# Allegro board ftu_k64_evk.brd (continued)
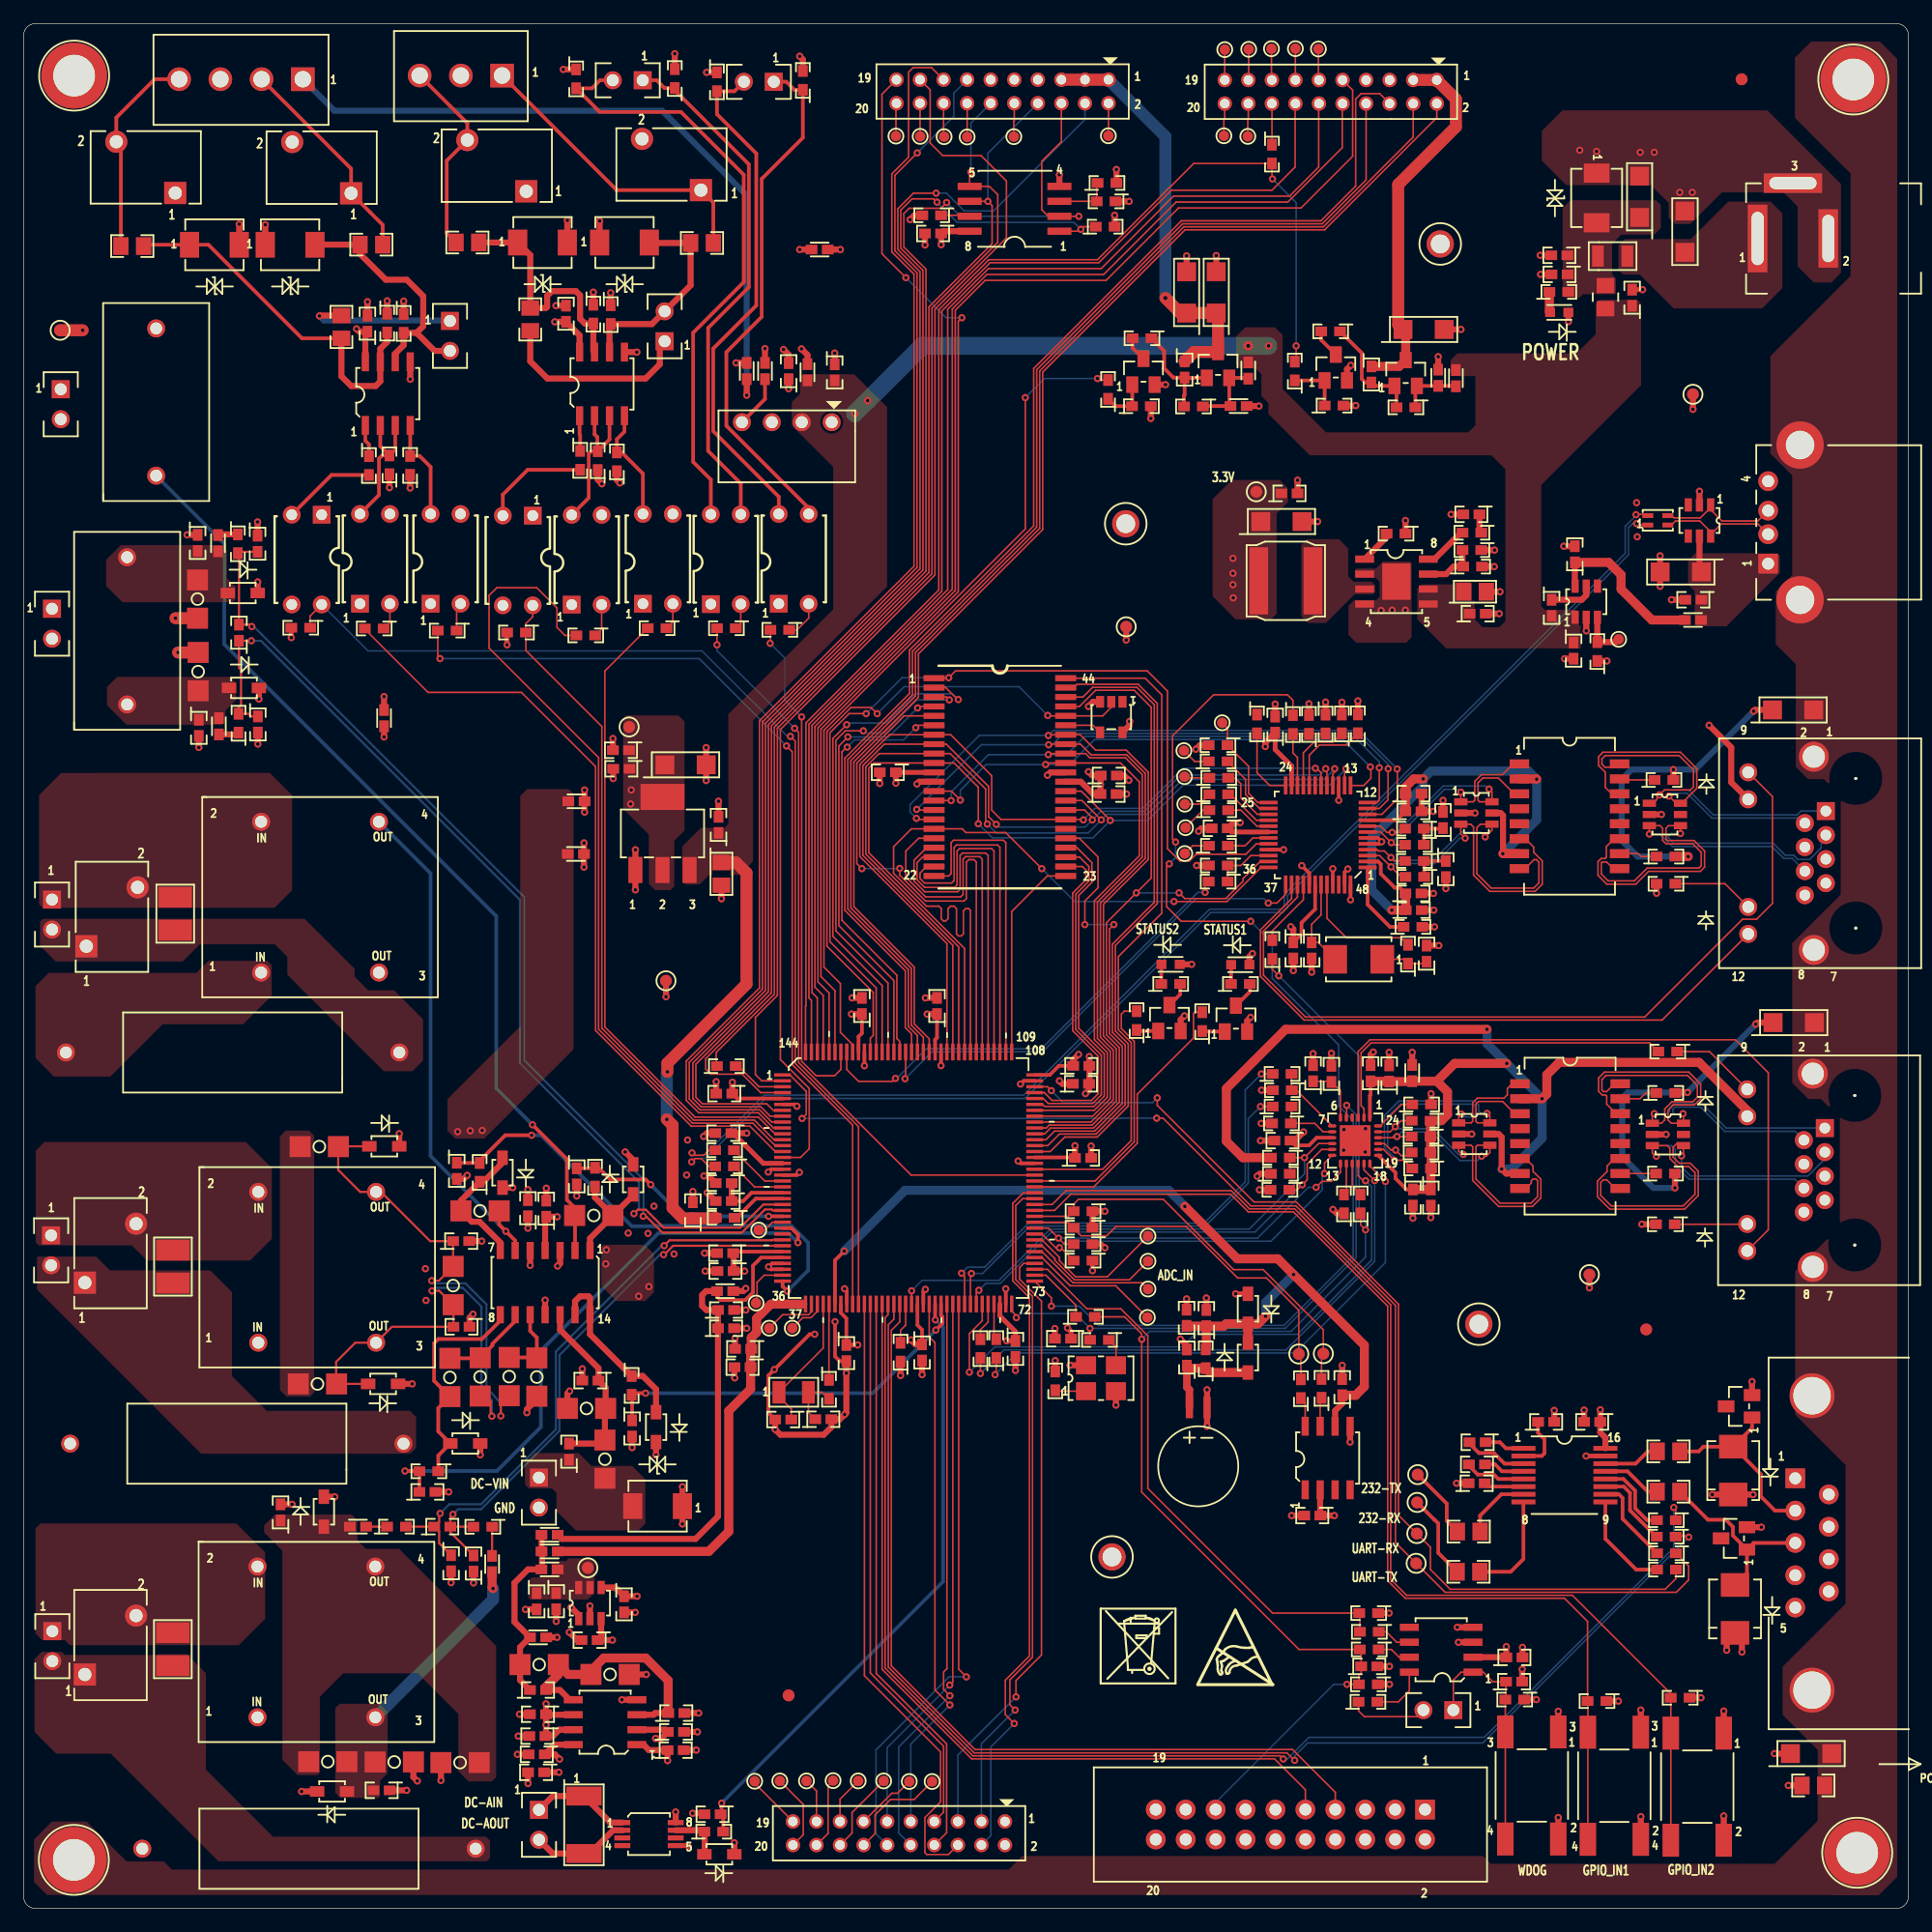
[diagram p0: board, top side]
## Routing (per net, layer and track width the routed paths; a pad name or vN(x,y) marks a point on that pad's centre or on a via; arc(x,y) is an arc through that point) (continued)
  BOTTOM w0.127: v1(138.01,91.2) 138.9,91.2 139.95,90.14 148.41,90.14 149.42,89.13 150.13,89.13 P2.6
ETH2_RXP: length 38.9
  TOP w0.127: v1(140.65,91.25) U14.4 139.63,91.91 139.42,91.69 139.42,90.78 139.54,90.65 141.8,90.65 142.69,89.76 142.69,88.39 142.34,88.04 137.94,88.04 136.85,86.94 134.4,86.94 133.65,87.69 133.65,88.86 133.91,89.12 134.25,89.12 134.36,89.23 134.36,90.14 135.02,90.81 T2.11
  BOTTOM w0.127: v1(140.65,91.25) 139.83,91.25 139.63,91.04 139.63,90.86 140.07,90.42 148.52,90.42 149.54,89.41 150.25,89.41 150.61,89.05 151.62,89.05 152.59,90.03 152.59,90.72 P2.3
ETH2_TXN: length 30.9
  TOP w0.127: v1(139.67,94.42) 140.28,93.81 U14.6 140.76,93.81 142.03,95.08 142.03,96.76 140.65,98.15 134.07,98.15 133.7,97.78 133.7,97.01 134.27,96.44 134.27,95.16 134.82,94.61 T2.14
  BOTTOM w0.127: P2.2 151.04,92.13 150.62,92.56 143.31,92.56 141.2,94.67 139.91,94.67 v1(139.67,94.42)
ETH2_TXP: length 31.7
  TOP w0.127: T2.16 135.2,96.88 134.23,96.88 133.98,97.13 133.98,97.59 134.26,97.87 140.53,97.87 141.75,96.65 141.75,95.2 141.5,94.95 139.29,94.95 v1(138.87,94.52) 138.65,94.31 138.65,94.13 138.33,93.81 U14.1
  BOTTOM w0.127: P2.1 150.88,93.15 150.57,92.84 143.43,92.84 141.32,94.95 139.29,94.95 v1(138.87,94.52)
EXT_5V: length 60.1
  TOP w0.508: L17.1 v1(61.39,128.45)
  BOTTOM w0.508: J13.1 26.38,152.6 54.2,152.6 61.39,145.41 v1(61.39,128.45)
EXTAL: length 48.6
  TOP w0.127: R18.2 v1(90.53,49.24) ; U11.5 112.31,67.16 v1(112.31,68.17) ; v1(84.27,50.15) 84.27,50.32 83.88,50.71 U1.72
  BOTTOM w0.127: v1(84.27,50.15) 84.62,50.5 89.28,50.5 v1(90.53,49.24) 107.09,49.24 113.11,55.26 113.11,67.37 v1(112.31,68.17)
EZP_CS: length 3.5
  TOP w0.127: U1.54 74.88,49.51 74.44,49.07 R1.2
FB_AD0: length 56.9
  TOP w0.127: U4.2 92.33,101.96 91.6,101.23 U3.40 86.98,101.23 v1(86.94,101.27) ; U1.133 71.88,73.86 72.12,74.11 72.12,77.76 68.19,81.69 68.19,99.9 70.23,101.94 71.94,101.94 v1(72.46,101.42)
  BOTTOM w0.127: v1(86.94,101.27) 84.5,103.71 74.75,103.71 v1(72.46,101.42)
FB_AD0_N: length 3.2
  TOP w0.127: U3.39 90.78,100.43 U4.4
FB_AD1: length 84.5
  TOP w0.127: U12.32 104.64,90.37 103.75,89.48 99.54,89.48 98.96,88.91 98.15,88.91 97.1,89.97 97.1,103.34 95.38,105.05 79.12,105.05 v1(78.53,104.47) 78.49,104.43 U3.1 ; v1(71.52,101.42) 70.07,101.42 68.45,99.8 68.45,82.07 72.38,78.14 U1.132
  BOTTOM w0.127: v1(71.52,101.42) 74.57,104.47 v1(78.53,104.47)
FB_AD2: length 43.2
  TOP w0.127: U3.2 78.28,103.63 79.29,102.62 v1(79.34,102.62) ; U1.131 72.88,78.34 68.7,82.52 68.7,99.31 v1(69.87,100.48)
  BOTTOM w0.127: v1(69.87,100.48) 70.01,100.62 73.21,100.62 75.7,103.11 78.85,103.11 v1(79.34,102.62)
FB_AD3: length 40.9
  TOP w0.127: v1(71.28,99.96) 69.76,99.96 68.96,99.16 68.96,82.97 73.38,78.55 U1.130 ; v1(78.58,102.59) 78.34,102.83 U3.3
  BOTTOM w0.127: v1(78.58,102.59) 75.84,102.59 73.02,99.77 71.47,99.77 v1(71.28,99.96)
FB_AD4: length 37.4
  TOP w0.127: U3.4 76.02,102.03 v1(75.89,101.9) ; v1(69.97,99.44) 69.21,98.68 69.21,83.43 73.88,78.76 U1.129
  BOTTOM w0.127: v1(75.89,101.9) 73.43,99.44 v1(69.97,99.44)
FB_AD5: length 48
  TOP w0.127: v1(74.37,88.28) 74.37,87.71 76.57,85.51 79.83,85.51 80.03,85.72 80.03,88.82 80.23,89.03 80.67,89.03 80.88,88.82 U1.115 ; v1(71.17,88.27) 70.73,88.7 70.73,97.22 74.74,101.23 U3.5
  BOTTOM w0.127: v1(71.17,88.27) 74.35,88.27 v1(74.37,88.28)
FB_AD6: length 31.9
  TOP w0.127: U3.18 75.98,90.84 74.89,89.76 74.89,87.55 76.57,85.87 79.55,85.87 79.75,86.07 79.75,89.08 79.95,89.28 81.17,89.28 81.38,89.08 U1.114
FB_AD7: length 30.4
  TOP w0.127: U3.19 76.65,90.04 75.59,88.98 75.59,87.21 76.49,86.3 79.29,86.3 79.5,86.51 79.5,89.38 79.7,89.59 81.67,89.59 81.88,89.38 U1.113
FB_AD8: length 30.1
  TOP w0.127: U3.20 76.31,89.24 75.84,88.77 75.84,87.32 76.48,86.67 79.04,86.67 79.24,86.88 79.24,89.76 79.45,89.97 82.17,89.97 82.38,89.76 U1.112
FB_AD9: length 29.3
  TOP w0.127: U1.111 82.88,90.07 82.67,90.27 79.19,90.27 78.99,90.07 78.99,87.25 78.79,87.05 76.47,87.05 76.09,87.42 76.09,87.88 76.65,88.44 U3.21
FB_AD10: length 26.7
  TOP w0.127: U3.22 78.53,87.64 78.73,87.85 78.73,90.47 78.94,90.68 83.17,90.68 83.38,90.47 U1.110
FB_AD11: length 17.8
  TOP w0.127: U3.23 86.9,87.64 83.88,84.62 U1.109
FB_AD12: length 28.1
  TOP w0.127: U3.24 89.89,88.44 90.18,88.15 90.18,87.31 89.06,86.19 89.06,74.5 91.23,72.33 91.23,69.17 90.65,68.59 87.31,68.59 86.65,69.25 U1.105
FB_AD13: length 29.2
  TOP w0.127: U3.25 89.64,89.24 90.43,88.46 90.43,87.21 89.31,86.09 89.31,74.61 91.49,72.44 91.49,69.07 90.76,68.34 86.97,68.34 86.56,68.75 U1.104
FB_AD14: length 30.3
  TOP w0.127: U1.103 86.51,68.25 86.68,68.08 90.86,68.08 91.74,68.96 91.74,72.54 89.57,74.72 89.57,85.98 90.68,87.1 90.68,88.77 89.42,90.04 U3.26
FB_AD15: length 36.6
  TOP w0.127: v1(92.55,83.52) 92.17,83.13 92.17,74.27 93.26,73.18 93.26,68.33 90.93,65.99 87.52,65.99 86.79,65.25 U1.97 ; v1(90.09,83.52) 90.09,85.52 91.21,86.64 91.21,89.26 89.62,90.84 U3.27
  BOTTOM w0.127: v1(90.09,83.52) v1(92.55,83.52)
FB_AD16: length 53.5
  TOP w0.127: U3.42 89.92,102.83 90.75,103.66 94.51,103.66 95.98,102.18 95.98,85.4 92.43,81.85 92.43,74.38 93.52,73.28 93.52,68.22 91.03,65.74 87.93,65.74 86.95,64.75 U1.96
FB_AD17: length 54.2
  TOP w0.127: U1.95 87.16,64.25 88.39,65.48 91.14,65.48 93.77,68.11 93.77,73.39 92.68,74.48 92.68,81.74 96.24,85.3 96.24,102.29 94.61,103.91 89.43,103.91 89.15,103.63 U3.43
FB_AD18: length 57.8
  TOP w0.127: U3.44 95.21,104.43 96.62,103.02 96.62,84.48 92.93,80.8 92.93,74.59 94.03,73.49 94.03,65.18 91.6,62.75 U1.92
FB_AD24: length 75.4
  TOP w0.127: v1(89.96,92.41) 89.92,92.44 U3.29 82.96,92.44 82.18,93.23 82.18,96.15 78.7,99.63 U3.7 73.5,99.63 70.99,97.12 70.99,89.29 78.38,81.9 U1.120 ; v1(109.66,96.79) 109.76,96.79 110.14,96.41 U12.18
  BOTTOM w0.127: v1(109.66,96.79) 98.43,96.79 95.02,93.38 90.94,93.38 v1(89.96,92.41)
FB_AD25: length 78.2
  TOP w0.127: U1.119 78.88,81.76 71.24,89.4 71.24,97.01 73.06,98.83 U3.8 78.33,98.83 81.92,95.24 81.92,92.67 v1(82.57,92.02) ; U3.30 90.06,93.24 90.72,92.58 v1(90.72,92.41) ; U12.17 110.64,96.64 v1(110.54,96.75)
  BOTTOM w0.127: v1(82.57,92.02) 82.8,91.8 90.11,91.8 v1(90.72,92.41) 91.45,93.13 95.13,93.13 98.22,96.22 110,96.22 v1(110.54,96.75)
FB_AD26: length 79.6
  TOP w0.127: v1(81.81,92.05) 81.67,92.19 81.67,95.02 78.66,98.03 U3.9 72.62,98.03 71.5,96.9 71.5,89.5 79.38,81.62 U1.118 ; U12.16 111.14,96.31 111.3,96.47 v1(111.3,96.75) ; U3.31 89.85,94.04 v1(91.49,92.41)
  BOTTOM w0.127: v1(81.81,92.05) 82.57,91.29 90.37,91.29 v1(91.49,92.41) 91.96,92.88 95.42,92.88 98.37,95.83 110.38,95.83 v1(111.3,96.75)
FB_AD27: length 81.3
  TOP w0.127: U12.14 112.14,96.63 v1(112.26,96.75) ; U3.32 89.78,94.84 92.25,92.38 v1(92.25,92.35) ; U1.117 79.88,81.48 71.75,89.61 71.75,96.8 72.18,97.23 U3.10 78.99,97.23 81.05,95.17 v1(81.05,92.08)
  BOTTOM w0.127: v1(81.05,92.08) 81.05,92.07 82.24,90.88 90.77,90.88 v1(92.25,92.35) 95.42,92.35 98.42,95.35 110.87,95.35 v1(112.26,96.75)
FB_AD28: length 88
  TOP w0.127: U12.13 113.76,95.33 114.37,95.94 114.37,96.85 v1(114.32,96.9) ; v1(79.52,94.08) 78.76,94.84 U3.13 ; v1(86.76,97.1) 86.89,97.23 U3.35 93.11,97.23 94.71,95.63 94.71,89.36 90.9,85.55 90.9,73.74 91.99,72.65 91.99,68.85 90.89,67.75 U1.102
  BOTTOM w0.127: v1(79.52,94.08) 79.52,94.92 81.71,97.1 v1(86.76,97.1) 88.79,97.1 90.93,99.24 111.98,99.24 v1(114.32,96.9)
FB_AD29: length 91
  TOP w0.127: U12.12 114.88,93.87 115.08,94.07 v1(115.08,96.82) ; v1(78.73,94.04) U3.14 ; v1(86.99,97.94) 87.08,98.03 U3.36 90.15,98.03 90.51,97.68 93.53,97.68 94.97,96.24 94.97,89.25 91.16,85.44 91.16,73.85 92.25,72.75 92.25,68.75 90.75,67.25 U1.101
  BOTTOM w0.127: v1(115.08,96.82) 115.08,97.33 112.92,99.49 90.09,99.49 88.54,97.94 v1(86.99,97.94) 81.91,97.94 78.73,94.77 v1(78.73,94.04)
FB_AD30: length 96.8
  TOP w0.127: U12.11 115.09,93.37 115.83,94.11 115.83,96.73 v1(115.84,96.75) ; v1(75.81,93.29) 75.86,93.24 U3.15 ; v1(87.02,98.78) 87.07,98.83 U3.37 89.71,98.83 90.61,97.93 93.64,97.93 95.22,96.35 95.22,89.15 91.41,85.34 91.41,73.95 92.5,72.86 92.5,68.64 90.61,66.75 U1.100
  BOTTOM w0.127: v1(115.84,96.75) 115.84,97.13 113.22,99.75 88.29,99.75 87.32,98.78 v1(87.02,98.78) 81.3,98.78 v1(75.81,93.29)
FB_AD31: length 101.5
  TOP w0.127: U1.99 86.81,66.25 87.06,66.5 90.72,66.5 92.76,68.54 92.76,72.97 91.66,74.06 91.66,85.23 95.47,89.04 95.47,96.45 93.6,98.32 91,98.32 89.69,99.63 U3.38 87.05,99.63 v1(86.99,99.57) ; v1(116.6,96.72) 116.62,96.71 116.62,94.19 115.3,92.87 U12.10 ; U3.16 75.88,92.44 v1(75.79,92.53)
  BOTTOM w0.127: v1(75.79,92.53) 75.25,93.07 75.25,93.7 81.12,99.57 v1(86.99,99.57) 87.42,100 113.33,100 v1(116.6,96.72)
FB_CS0_N: length 36.3
  TOP w0.127: v1(69.92,98.58) 69.87,98.58 69.46,98.17 69.46,83.88 74.13,79.21 74.13,73.84 74.38,73.6 U1.128 ; U3.6 75.94,100.43 v1(75.74,100.23)
  BOTTOM w0.127: v1(75.74,100.23) 74.7,99.19 70.52,99.19 v1(69.92,98.58)
FB_CS1_N: length 42.2
  TOP w0.127: U1.127 74.88,70.49 v1(74.82,70.43) ; U12.37 107.14,86.08 106.4,85.34 v1(105.66,85.34)
  BOTTOM w0.127: v1(74.82,70.43) 77.11,72.72 86.51,72.72 99.51,85.73 105.28,85.73 v1(105.66,85.34)
FB_OE_N: length 65.1
  TOP w0.127: U1.98 86.68,65.75 87.17,66.24 90.82,66.24 93.01,68.43 93.01,73.07 91.92,74.16 91.92,83.67 v1(94.46,86.21) 95.73,87.48 95.73,101.96 94.28,103.4 91,103.4 89.63,102.03 U3.41 ; v1(98.09,86.21) 98.57,85.73 102.05,85.73 103.53,87.2 103.53,87.43 104.97,88.87 U12.35
  BOTTOM w0.127: v1(98.09,86.21) v1(94.46,86.21)
FB_RW_N: length 64.7
  TOP w0.127: U12.36 105.05,88.37 102.16,85.47 v1(97.66,85.47) ; U1.116 80.38,84.72 80.22,84.88 79.98,84.88 79.78,84.67 79.78,82.72 79.6,82.55 79.36,82.55 79.19,82.72 79.19,84.88 78.99,85.08 78.68,85.08 78.48,84.88 78.48,84.02 78.28,83.82 78.09,83.82 77.9,84.01 77.9,84.88 77.7,85.08 76.64,85.08 73.85,87.87 73.85,90.13 75.37,91.64 U3.17 79.67,91.64 79.99,91.33 83.37,91.33 v1(86.43,88.27)
  BOTTOM w0.127: v1(97.66,85.47) 89.22,85.47 v1(86.43,88.27)
GP6: length 8.9
  TOP w0.127: TP13.1 102.19,100.2 R82.1 103.98,96.95 103.98,94.67 104.77,93.87 U12.25
GPIO_1: length 56.9
  TOP w0.127: v1(84.17,16.84) 83.73,17.28 83.73,19.41 85.64,21.32 85.64,51.96 84.22,53.38 84.22,59.66 84.81,60.25 U1.87
  BOTTOM w0.127: v1(84.17,16.84) 81.31,13.98 J10.3
GPIO_2: length 59.6
  TOP w0.127: v1(84.09,15.7) 83.34,16.45 83.34,19.38 85.39,21.43 85.39,51.85 83.97,53.27 83.97,59.84 84.88,60.75 U1.88
  BOTTOM w0.127: v1(84.09,15.7) 82.11,13.71 82.11,6.18 J10.4
GPIO_3: length 52.2
  TOP w0.127: U1.76 84.9,54.75 84.55,54.41 84.55,53.41 86.41,51.55 86.41,21.51 84.25,19.35 v1(84.25,17.96)
  BOTTOM w0.127: J10.5 79.31,13.02 v1(84.25,17.96)
GPIO_4: length 53
  TOP w0.127: U1.47 71.38,19.75 77.85,13.28 77.85,9.05 76.51,7.71 76.51,4.74 76.67,4.58 78.51,4.58 J10.6
GPIO_5: length 46.8
  TOP w0.127: U1.48 71.88,19.99 78.1,13.77 78.1,8.17 J10.7
GPIO_6: length 48.8
  TOP w0.127: U1.49 72.38,19.95 78.35,13.97 78.35,6.43 J10.8
GPIO_7: length 46
  TOP w0.127: v1(78.63,17.27) 77.36,18.54 77.36,48.03 76.88,48.52 U1.58
  BOTTOM w0.127: J10.9 75.31,13.95 v1(78.63,17.27)
GPIO_8: length 48.5
  TOP w0.127: U1.61 78.38,20.35 78.1,20.07 78.1,18.59 v1(78.63,18.06)
  BOTTOM w0.127: v1(78.63,18.06) 74.29,13.72 74.29,6.4 J10.10
GPIO_9: length 46.2
  TOP w0.127: v1(78.62,18.96) 78.88,19.22 U1.62
  BOTTOM w0.127: J10.11 73.31,13.65 78.62,18.96 v1(78.62,18.96)
GPIO_10: length 50.6
  TOP w0.127: U1.63 79.38,20.31 v1(80.03,19.66)
  BOTTOM w0.127: J10.12 72.36,6.33 72.36,13.46 78.56,19.66 v1(80.03,19.66)
GPIO_IN_1: length 94.7
  TOP w0.127: SW1.4 SW1.3 132.79,17.58 R109.2 132.76,24.37 130.8,26.33 117.29,26.33 115.79,27.83 115.79,51.13 107.79,59.13 103.96,59.13 102.46,60.63 88.89,60.63 87.52,59.25 U1.85
GPIO_IN_2: length 98.3
  TOP w0.127: U1.86 87.31,59.75 88.48,60.93 102.52,60.93 104.06,59.39 107.9,59.39 116.05,51.24 116.05,27.93 117.39,26.59 131.47,26.59 139.82,18.24 R110.2 139.83,17.88 SW2.3 SW2.4
GPIO_OUT_1: length 24
  TOP w0.127: R101.2 99.41,76.08 99.31,75.97 99.31,73.89 94.53,69.11 94.53,64.95 90.84,61.25 U1.89
GPIO_OUT_2: length 22.5
  TOP w0.127: R102.2 93.44,76.17 93.19,75.91 93.19,74.69 94.28,73.6 94.28,65.07 90.96,61.75 U1.90
GPIO_OUT_3: length 63.7
  TOP w0.127: U1.91 75.35,62.25 65.79,71.81 65.79,99.83 v1(65.45,100.18) ; R106.2 v1(58.86,107.26)
  BOTTOM w0.127: v1(65.45,100.18) 58.86,106.77 v1(58.86,107.26)
GPIO_OUT_4: length 43.3
  TOP w0.127: R105.2 63.39,107.41 v1(63.37,107.39) ; U1.138 69.38,71.22 68.84,70.69 67.27,70.69 66.05,71.91 v1(66.05,101.14)
  BOTTOM w0.127: v1(63.37,107.39) 64.61,106.15 64.61,102.58 v1(66.05,101.14)
GPRS_CTS: length 111.6
  TOP w0.127: J22.6 115.12,154.05 113.53,154.05 113.08,153.59 113.08,146.2 110.13,143.26 98.28,143.26 85.75,130.72 85.75,117.36 75.2,106.82 75.2,103.13 69.72,97.64 69.72,84.72 74.85,79.59 74.85,74.77 75.38,74.24 U1.126
GPRS_DCD: length 110.7
  TOP w0.127: U1.141 67.88,77.5 67.18,78.2 67.18,100.32 78.84,111.98 78.84,135.77 81.77,138.7 91.68,138.7 97.83,144.85 107.32,144.85 111.94,149.46 111.94,153.18 J22.10
GPRS_DTR: length 114.2
  TOP w0.127: U1.140 68.38,77.71 67.43,78.65 67.43,100.22 79.09,111.88 79.09,135.67 81.62,138.2 91.89,138.2 98.04,144.35 108.44,144.35 112.82,148.73 112.82,154.35 J22.9
GPRS_PWR_CNTL: length 118.8
  TOP w0.127: v1(108.03,132.64) 108.03,131.42 R154.2 ; v1(106.01,146.81) 105.97,146.85 R148.2 99.33,148.12 91.16,139.96 81.94,139.96 77.69,135.71 77.69,111.92 66.42,100.64 66.42,76.63 66.38,76.59 U1.144
  BOTTOM w0.127: v1(108.03,132.64) 108.03,144.8 v1(106.01,146.81)
GPRS_RI: length 109.9
  TOP w0.127: U1.142 67.38,77.29 66.92,77.75 66.92,100.43 78.45,111.95 78.45,135.74 81.91,139.2 91.48,139.2 97.62,145.35 107.46,145.35 109.94,147.82 109.94,153.18 J22.12
GPRS_RST: length 108.1
  TOP w0.127: U1.143 66.88,77.08 66.67,77.29 66.67,100.54 77.95,111.81 77.95,135.6 82.05,139.7 91.27,139.7 97.42,145.85 105.96,145.85 107.94,147.82 107.94,153.18 J22.14
GPRS_RTS: length 108.1
  TOP w0.127: U1.125 75.88,74.1 75.1,74.87 75.1,79.7 69.97,84.83 69.97,97.54 75.46,103.02 75.46,106.71 86,117.25 86,130.61 98.39,143 110.23,143 113.96,146.73 J22.8
GPRS_RX: length 109.8
  TOP w0.127: U1.124 76.38,73.96 75.36,74.98 75.36,79.8 70.23,84.93 70.23,97.43 75.71,102.92 75.71,106.61 86.25,117.15 86.25,130.51 98.49,142.75 110.34,142.75 117.96,150.37 J22.4
GPRS_TX: length 110.6
  TOP w0.127: U1.123 76.88,73.81 75.61,75.08 75.61,79.91 70.48,85.04 70.48,97.33 75.97,102.81 75.97,106.5 86.51,117.04 86.51,130.4 98.6,142.49 110.45,142.49 119.96,152.01 J22.2
HOSTUSB_C_D_N: length 10.1
  TOP w0.127: 143.21,116.77 143.36,116.77 144.11,117.53 147.22,117.53 J11.A2 ; 143.21,116.77 143.21,116.86 142.29,117.78 140.23,117.78 139.88,117.43 L14.2 ; 143.21,116.77 U18.6
HOSTUSB_C_D_P: length 10.1
  TOP w0.127: 143.21,118.91 U18.1 ; 143.21,118.91 142.33,118.03 140.1,118.03 139.91,118.23 L14.3 ; 143.21,118.91 143.21,118.73 144.17,117.78 147.22,117.78 J11.A3
I1A_IN: length 80.5
  TOP w0.305: U6.2 46.81,58.79 R28.1 46.78,59.49 46.12,60.15 46.12,63.6 v1(43.2,66.52)
  BOTTOM w0.305: CT1.1 17.04,115.84 17.04,107.31 40.13,84.23 40.13,69.6 v1(43.2,66.52)
I1A_OUT: length 19.2
  TOP w0.305: C34.1 48.46,62.83 R27.2 48.8,62.87 49.8,61.87 52.8,61.87 v1(53.23,61.44) ; U1.25 v1(63.24,58.75)
  BOTTOM w0.305: v1(63.24,58.75) 55.92,58.75 v1(53.23,61.44)
I2A_N: length 86.2
  TOP w0.178: C40.2 18.31,115.16 R34.2 18.28,114.95 C37.2 19.21,108.98 v1(19.37,108.81) ; v1(52.6,58.76) 52.66,58.7 52.9,58.7 54.22,57.38 60.98,57.38 62.94,59.33 63.51,59.33 63.6,59.25 U1.24
  BOTTOM w0.178: v1(52.6,58.76) 52.6,59.23 52.62,59.26 52.62,61.88 42.51,71.98 42.51,85.85 19.59,108.77 19.42,108.77 v1(19.37,108.81)
I2A_P: length 86.3
  TOP w0.178: v1(19.34,107.61) C37.1 18.28,105.31 18.46,105.13 18.46,102.16 18.25,101.95 R29.2 19.1,101.41 19.32,101.19 C36.1 ; U1.23 62.79,59.75 60.83,57.78 54.35,57.78 52.83,59.31 52.14,59.31 v1(51.81,58.98)
  BOTTOM w0.178: v1(51.81,58.98) 52.24,59.41 52.24,61.65 42.13,71.75 42.13,85.62 20.14,107.61 v1(19.34,107.61)
I2C_SCL: length 32.1
  TOP w0.127: R14.2 108.43,46.89 TP6.1 108.25,50.77 105.51,53.52 103.06,53.52 98.7,57.89 92.73,57.89 91.94,57.1 89.77,57.1 89.14,57.73 R6.2 88.67,58.25 U1.83
I2C_SDA: length 34.3
  TOP w0.127: R15.2 110.18,46.94 TP5.1 110.33,49.12 105.23,54.23 102.71,54.23 96.74,60.2 89.56,60.2 89.14,59.78 R5.2 88.71,58.75 U1.84
L_XIN: length 10.7
  TOP w0.127: R96.2 116.93,82.4 112.29,82.4 110.64,84.05 U12.44
L_XOUT: length 7.8
  TOP w0.127: Y2.2 109.9,82 C78.1 109.34,83.54 110.14,84.34 U12.43
LED3: length 6.2
  TOP w0.127: U12.24 105.79,95.33 104.7,96.41 R90.2
MODE0: length 5.3
  TOP w0.127: R63.2 107.63,66.69 R56.1 109.61,66.64 110.32,65.93 U11.8
MODE1: length 6.1
  TOP w0.127: R64.2 107.63,69.48 R57.1 108.05,69.46 U11.7
NORFLASH_WP: length 4.8
  TOP w0.127: R23.1 91.09,146.39 R26.2 91.09,144.91 U5.3
PHY_INT_B: length 2.7
  TOP w0.127: U11.14 112.29,60.8 R71.2
PHY_LED1: length 57.9
  TOP w0.127: P1.12 148.1,57.6 148.1,70.94 145.31,73.74 114.29,73.74 113.29,72.73 U11.3
PHY_LED2: length 31.5
  TOP w0.127: R68.2 138.02,73.48 114.4,73.48 113.54,72.63 113.54,68.14 113.79,67.89 U11.2
PHY_RST_B: length 2.9
  TOP w0.127: R69.2 112.79,61.31 U11.15
PWRST#: length 5.8
  TOP w0.127: U12.40 108.64,85.63 106,83 R98.2
RBIAS: length 3.6
  TOP w0.127: U11.24 115.14,66.43 116.96,68.25 R73.1
RESET_B: length 114.1
  TOP w0.127: v1(106.55,79.17) 106,79.72 R98.1 ; R69.1 113.5,58.02 v1(113.91,57.61) ; v1(112.34,19.03) R144.2 113.36,19.76 113.55,19.95 C97.1 113.55,21.87 R146.2 108.27,21.98 94.91,35.34 v1(94.91,48.31) 94.91,48.77 93.47,50.22 R11.2
  BOTTOM w0.127: v1(106.55,79.17) 113.37,72.35 113.37,58.87 113.91,58.32 v1(113.91,57.61) 113.91,55.3 107.6,48.98 95.59,48.98 v1(94.91,48.31) ; J18.15 101.19,8.99 111.22,19.03 v1(112.34,19.03)
RMII0_CRS_DV: length 38.3
  TOP w0.127: U1.66 80.88,52.26 v1(81.1,52.48) ; R58.1 108.11,61 v1(108.54,61.43) 108.96,61.85 108.96,63.2 110.19,64.43 U11.11
  BOTTOM w0.127: v1(108.54,61.43) 104.53,57.42 87.26,57.42 82.9,53.06 81.68,53.06 v1(81.1,52.48)
RMII0_MDC: length 30.9
  TOP w0.127: v1(109.72,61.21) 110.23,61.72 111.02,61.72 111.79,62.49 U11.13 ; R7.2 88.36,56.39 v1(87.85,56.9) 87,57.75 U1.82
  BOTTOM w0.127: v1(109.72,61.21) 109.06,61.21 104.74,56.9 v1(87.85,56.9)
RMII0_MDIO: length 31.9
  TOP w0.127: U11.12 110.43,63.28 v1(110.43,62.38) ; U1.81 86.45,57.25 87.62,56.08 v1(87.93,56.08) 88.09,55.92 88.21,55.92 R8.2
  BOTTOM w0.127: v1(87.93,56.08) 88.49,56.64 105.89,56.64 110.24,61 110.24,62.19 v1(110.43,62.38)
RMII0_RXD0: length 37.3
  TOP w0.127: v1(80.46,53.9) 80.38,53.81 U1.65 ; R63.1 v1(105,68.07)
  BOTTOM w0.127: v1(80.46,53.9) 81.41,53.9 85.43,57.92 100.32,57.92 103.96,61.57 103.96,67.03 v1(105,68.07)
RMII0_RXD1: length 40.7
  TOP w0.127: v1(79.62,53.92) 79.88,53.67 U1.64 ; R64.1 v1(105.07,70.84)
  BOTTOM w0.127: v1(105.07,70.84) 103.7,69.47 103.7,61.67 100.21,58.18 85.33,58.18 81.58,54.43 80.13,54.43 v1(79.62,53.92)
RMII0_RXER: length 45.4
  TOP w0.127: R74.2 107.49,62.36 R70.1 v1(108.73,63.73) 109.93,64.93 U11.10 ; U1.55 75.38,52.42 v1(75.38,52.43)
  BOTTOM w0.127: v1(75.38,52.43) 76.27,53.31 82.8,53.31 87.15,57.67 104.05,57.67 108.73,62.36 v1(108.73,63.73)
RMII0_TXD0: length 47.4
  TOP w0.127: v1(114.69,61.79) 113.79,62.69 U11.17 ; R2.1 v1(81.22,45.42)
  BOTTOM w0.127: v1(114.69,61.79) 114.69,54.93 107.17,47.41 83.22,47.41 v1(81.22,45.42)
RMII0_TXD1: length 47.5
  TOP w0.127: U11.18 114.29,63.03 v1(115.6,61.71) ; R4.1 82.57,45.47 82.49,45.39 82.49,45.34 v1(82.47,45.31)
  BOTTOM w0.127: v1(82.47,45.31) 84.31,47.16 107.93,47.16 115.6,54.83 v1(115.6,61.71)
RMII0_TXEN: length 53.1
  TOP w0.127: v1(113.92,61.77) 113.71,61.77 113.29,62.2 U11.16 ; U1.67 81.38,49.89 80.28,48.79 v1(80.28,45.52)
  BOTTOM w0.127: v1(80.28,45.52) 82.43,47.66 98.35,47.66 99.42,48.73 108.13,48.73 114.43,55.04 114.43,61.26 v1(113.92,61.77)
RS485_5V: length 21.4
  TOP w0.508: R123.1 48.74,121.28 v1(49.09,120.93) ; R126.1 v1(49.84,137.14) ; v1(66.03,132.38) 66.54,131.88 L16.2 ; L17.2 v1(60.48,131.2) ; U21.8 29.01,133.66 C85.1 28.51,133.84 v1(28.26,134.09) ; L15.2 v1(62.94,132.41) ; v1(50.62,121.01) 50.36,121.26 R130.1 ; R118.1 v1(32.81,120.57) ; R116.1 v1(32.26,136.44) ; R104.1 v1(45.81,156.1) ; C87.2 64.94,131.9 v1(64.51,132.33) ; R103.1 v1(57.98,155.85) ; R114.1 v1(31.06,120.6) ; U25.8 47.2,133.53 C88.1 v1(45.09,134.68)
RS485I_A: length 22.1
  TOP w0.508: U21.6 31.55,131.99 32.26,132.7 R116.2 33.36,133.75 ; TVS2.2 24.74,141.23 R122.1 28.56,140.45 30.75,138.25 32.53,138.25 33.93,136.86 33.93,134.32 33.36,133.75 ; 33.36,133.75 34.89,132.22 J12.2
RS485I_B: length 31.5
  TOP w0.305: R128.1 10.3,141.22 TVS3.1 15.69,141.22 23.63,133.28 R124.2
  TOP w0.508: R117.2 30.87,132.98 30.28,132.39 U21.7 30.28,129.63 29.89,129.24 27.81,129.24 26.98,130.06 R124.2
RS485I_DIR: length 67
  TOP w0.127: U1.14 63.81,64.25 61.65,66.41 56.68,66.41 48.56,74.52 48.56,96.93 42.26,103.23 34.34,103.23 28.97,108.6 R115.2
RS485I_RX: length 97.4
  TOP w0.127: U1.46 70.88,66.36 65.5,71.74 65.5,99.09 v1(65.09,99.49) ; R112.1 24.33,109.71 U19.4
  BOTTOM w0.127: v1(65.09,99.49) 64.84,99.49 57.59,106.74 29.25,106.74 U19.4
RS485I_TX: length 84.6
  TOP w0.127: v1(35.35,106.1) 35.16,106.28 R119.2 ; v1(64.76,98.68) 65.25,98.2 65.25,71.63 70.38,66.5 U1.45
  BOTTOM w0.127: v1(35.35,106.1) 57.35,106.1 v1(64.76,98.68)
RS485IA: length 18.3
  TOP w0.305: J13.2 27.8,147.68 V4.1 29.41,143.99 29.41,143.99 30.49,142.91 R122.2
RS485IB: length 17.8
  TOP w0.305: R128.2 8.26,149.58 V5.2 7.87,152.02 11.13,155.28 J13.4
RS485II_A: length 17.7
  TOP w0.508: TVS4.2 53.16,141.37 R129.1 56.62,137.78 J14.2 53.34,134.49 49.84,134.49 49.74,134.39 U25.6
RS485II_B: length 20.6
  TOP w0.508: R133.1 38.64,141.41 TVS5.1 43.01,140.34 R132.2 44.33,135.85 44.44,135.97 44.44,136.88 44.85,137.29 46.88,137.29 47.24,136.93 47.24,134.95 47.66,134.53 R127.2 48.37,132.21 U25.7
RS485II_DIR: length 70.7
  TOP w0.127: R125.2 45.96,108.06 45.28,108.74 45.28,110.39 43.56,112.12 40.18,112.12 39.52,111.46 39.52,106.98 48.81,97.69 48.81,74.63 56.78,66.66 61.9,66.66 63.81,64.75 U1.13
RS485II_RX: length 58.1
  TOP w0.127: U24.4 43.22,109.65 42.64,109.07 R120.1 42.64,106.78 49.09,100.33 49.09,74.72 56.89,66.92 62.03,66.92 63.7,65.25 U1.12
RS485II_TX: length 54.2
  TOP w0.127: R131.2 49.34,105.04 49.34,74.82 56.99,67.17 62.38,67.17 63.8,65.75 U1.11
RS485IIA: length 25.8
  TOP w0.305: J15.1 50.35,145.86 V6.1 58.55,144.81 R129.2
RS485IIB: length 16.9
  TOP w0.305: R133.2 35.92,142.2 35.92,148.36 V7.2 37.67,151.54 J15.3
RTC_XTALI: length 4.5
  TOP w0.127: R12.2 68.32,43.27 67.77,43.81 QZ1.2 66.62,42.11 C21.1
RTC_XTALO: length 11.8
  TOP w0.127: C20.1 65.17,42.4 64.12,43.44 QZ1.1 67.88,47.57 U1.40
RX232_RX1: length 7.3
  TOP w0.305: R141.2 120.09,30.18 120.09,32.69 119.78,32.99 119.76,32.99 TP24.1
RX232_TX1: length 6.2
  TOP w0.305: TP23.1 120.81,34.36 120.81,32.89 R137.2
SPI1_PCS0: length 111.9
  TOP w0.127: U5.1 89.58,142.37 v1(89.75,142.53) 89.97,142.76 R24.1 ; v1(77.54,144.84) 77.26,145.12 75.42,145.12 74.47,144.17 74.47,140.93 76.35,139.05 76.35,113.62 63.23,100.5 63.23,77.82 57.07,71.66 57.07,68.86 57.63,68.3 63.09,68.3 63.64,67.75 U1.7
  BOTTOM w0.127: v1(77.54,144.84) 77.54,144.83 79.24,143.13 89.15,143.13 v1(89.75,142.53)
SPI1_PCS2: length 114.2
  TOP w0.127: v1(77.46,145.6) 75.54,145.6 74.21,144.28 74.21,140.82 76.09,138.94 76.09,113.72 62.97,100.6 62.97,77.93 56.81,71.77 56.81,68.75 57.52,68.05 62.58,68.05 63.38,67.25 U1.8
  BOTTOM w0.127: J21.4 90.1,151.85 82.34,144.09 79.85,144.09 78.34,145.6 v1(77.46,145.6)
SPI1_SCK: length 94.9
  TOP w0.127: R13.1 58.8,71.56 58.8,72.67 63.74,77.61 63.74,100.29 76.86,113.41 76.86,135.95 82.21,141.31 82.21,144.55 v1(81.85,144.91) U5.6
  BOTTOM w0.127: J21.8 81.85,148.99 v1(81.85,144.91)
SPI1_SIN: length 117.3
  TOP w0.127: J21.6 88.1,149.98 86.43,148.31 86.43,144.2 86.99,143.64 U5.2 v1(89.58,143.64) ; v1(78.35,144.81) 77.87,144.32 75.18,144.32 74.72,143.87 74.72,141.03 76.6,139.15 76.6,113.51 63.48,100.39 63.48,77.72 57.91,72.14 57.91,71.25 58.34,70.82 61.01,70.82 62.57,69.25 U1.4
  BOTTOM w0.127: v1(78.35,144.81) 79.52,143.64 v1(89.58,143.64)
SPI1_SOUT: length 96.2
  TOP w0.127: v1(80.41,147.4) 80.31,147.29 U5.5 81.98,146.18 82.7,145.47 82.7,141.43 77.11,135.84 77.11,113.3 63.99,100.18 63.99,77.5 62.12,75.64 62.12,70.79 62.66,70.25 U1.2
  BOTTOM w0.127: J21.12 80.41,151.55 v1(80.41,147.4)
SWD_CLK: length 72.9
  TOP w0.127: J18.9 108.81,10.08 106.18,12.7 80.48,12.7 72.88,20.3 U1.50
SWD_DIO: length 74.6
  TOP w0.127: J18.7 111.35,9.86 107.72,13.49 80.77,13.49 73.66,20.59 73.66,49.07 74.38,49.79 U1.53
U1P_IN: length 43.2
  TOP w0.305: R33.1 40.37,58.05 v1(40.94,57.48) 41.73,56.69 U6.6
  BOTTOM w0.305: PT1.4 34.54,87.87 34.54,63.88 v1(40.94,57.48)
U1P_OUT: length 40.6
  TOP w0.305: U1.36 64.43,52.81 v1(64.84,52.4) ; C39.1 36.79,63.28 R31.2 38.72,63.46 40.89,65.63 v1(43.12,65.63)
  BOTTOM w0.305: v1(43.12,65.63) 43.91,65.63 51.63,57.91 53.59,57.91 53.61,57.94 65.18,57.94 66.6,56.51 66.6,54.16 v1(64.84,52.4)
U2_IN_L: length 38.8
  TOP w0.178: R37.1 41.22,43.49 40.51,42.78 v1(40.51,41.81) ; v1(34.65,53.29) 35.26,53.29 R43.1 36.46,54.5 C43.1 34.51,56.65 30.34,60.82 PT2.4 28.57,60.82 26.71,62.69 26.71,64.65 R42.1 26.76,64.7 D15.A
  BOTTOM w0.178: v1(34.65,53.29) 34.87,53.06 37.51,53.06 39.3,51.27 39.3,44.23 40.51,42.88 v1(40.51,41.81)
